# KiCad board pcb.kicad_pcb (continued)
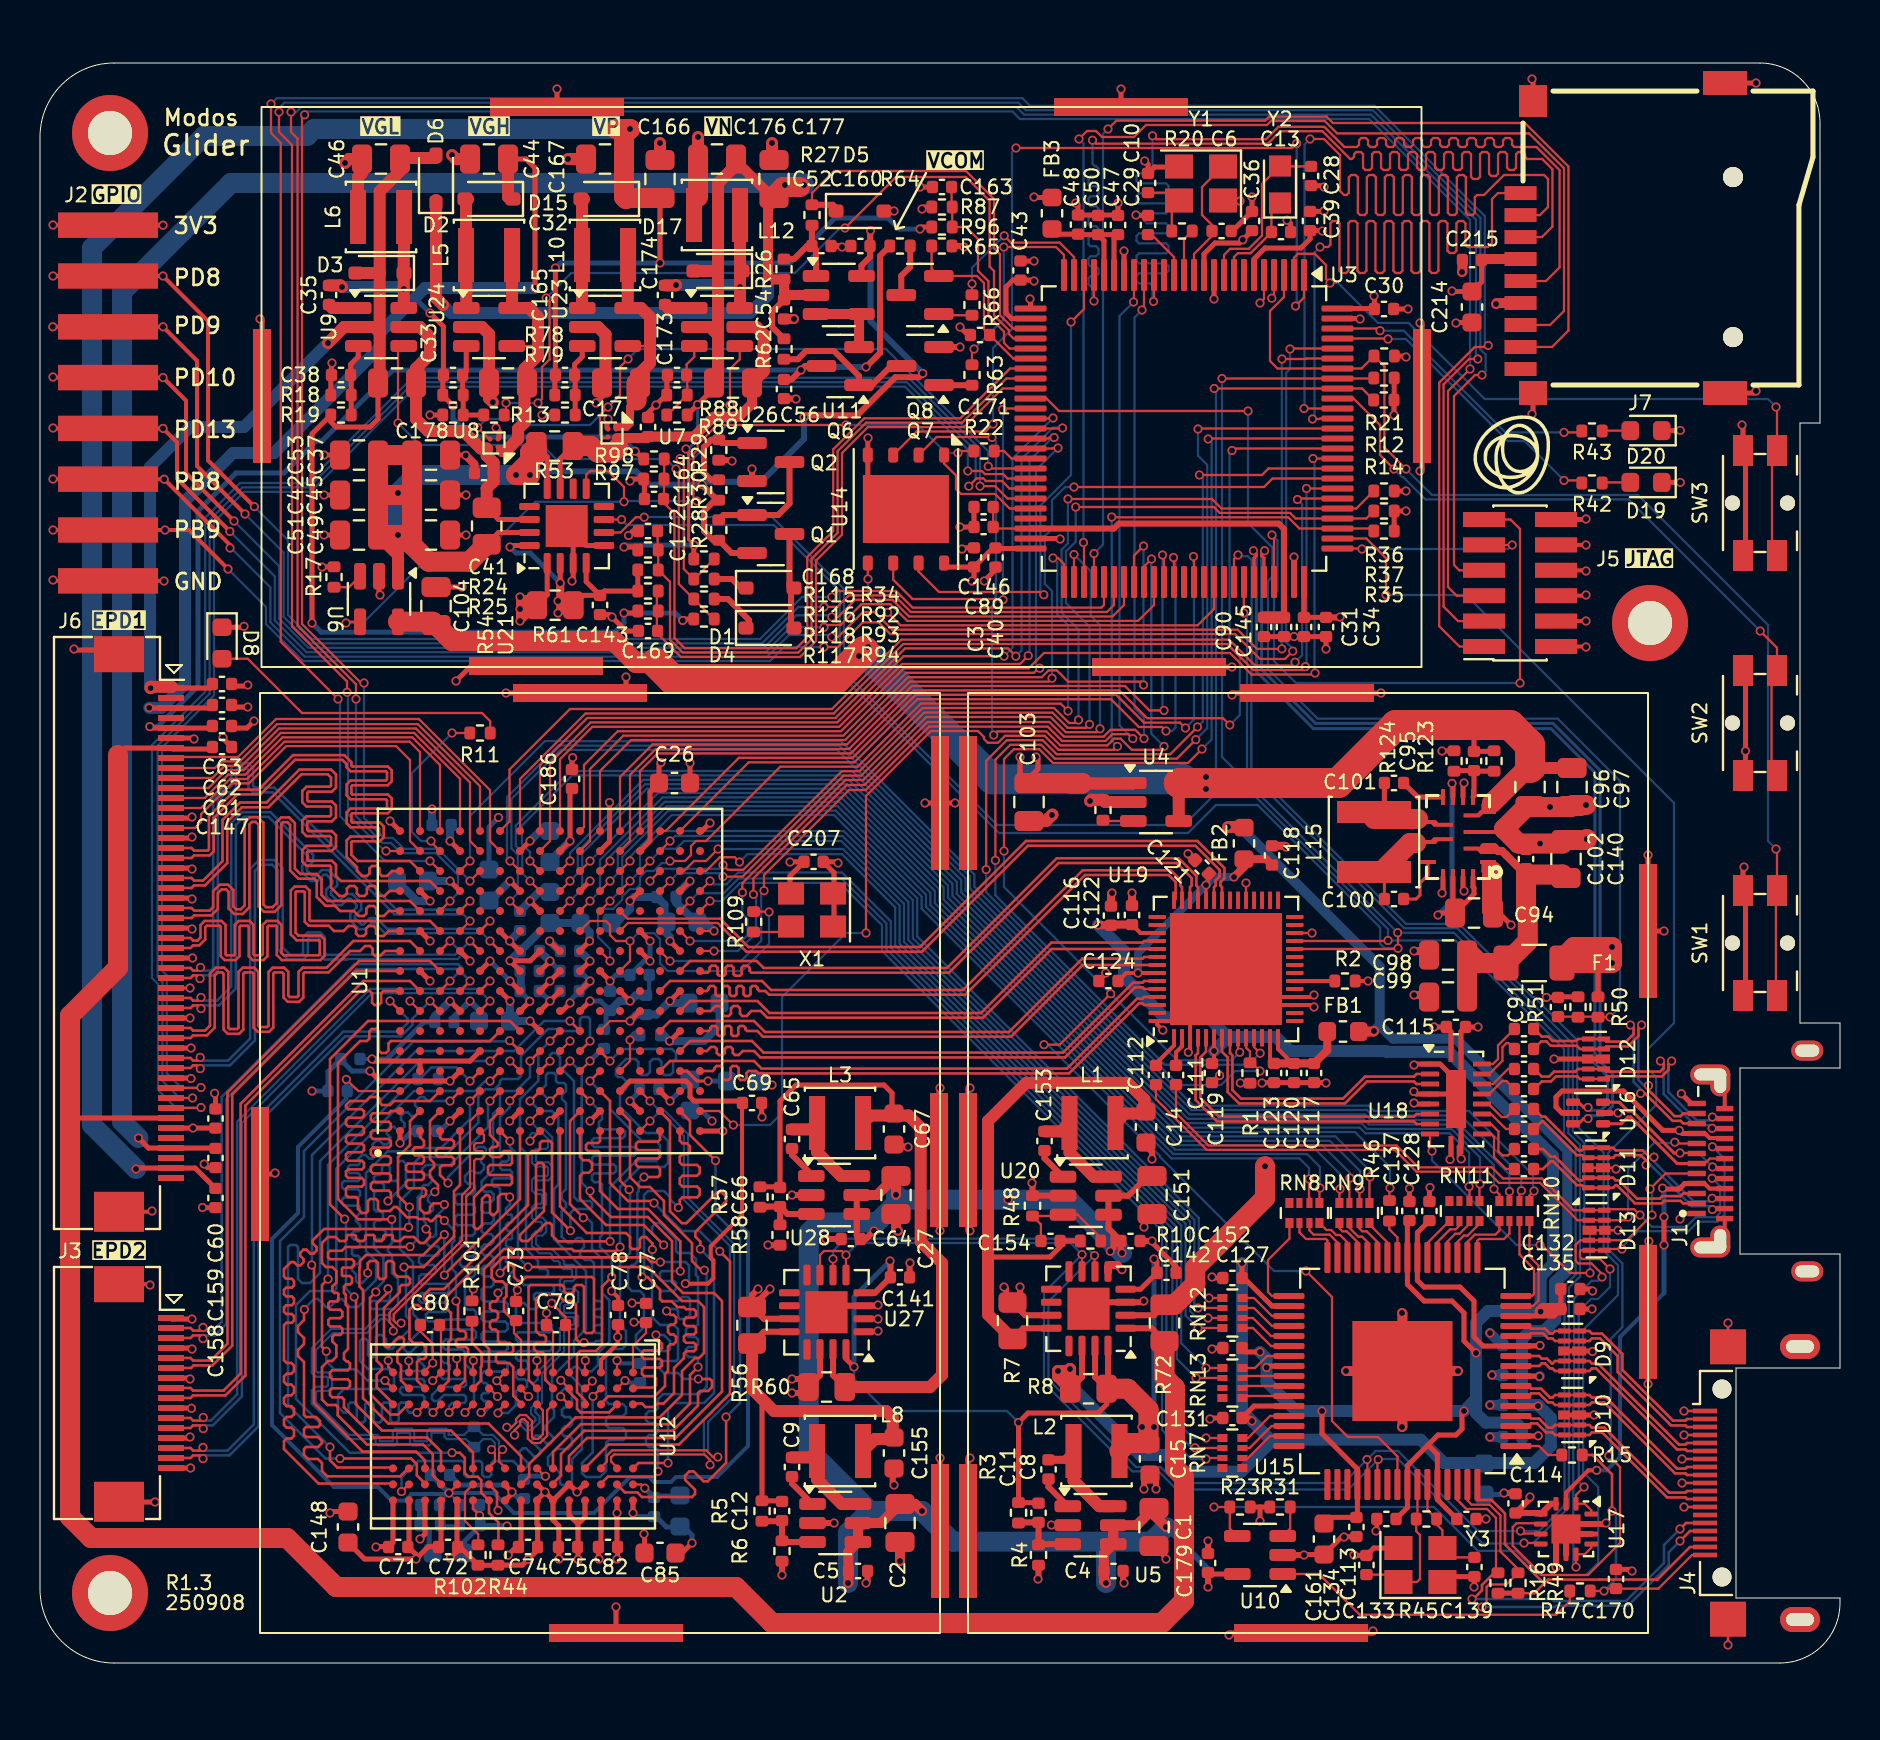
[diagram p0: board, top side]
## Routing (per net, layer and track width the routed paths; a pad name or vN(x,y) marks a point on that pad's centre or on a via; arc(x,y) is an arc through that point) (continued)
LVDS_ODD_CKP: length 25.8
  Top w0.127: U19.46 55.21,36.1 55.12,36.02 50.57,36.02 47.05,32.5 36.47,32.5 35.87,33.1 32.5,33.1 U1.R7
LVDS_ODD_CN: length 26.4
  Top w0.127: U1.T6 33.43,31.6 33.51,31.69 33.51,31.76 33.6,31.85 33.78,31.85 33.86,31.76 33.86,31.44 33.95,31.35 34.13,31.35 34.21,31.44 34.21,31.76 34.3,31.85 34.48,31.85 34.56,31.76 34.56,31.44 34.65,31.35 34.83,31.35 34.91,31.44 34.91,31.76 35,31.85 35.18,31.85 35.26,31.76 35.26,31.69 35.35,31.6 35.86,31.6 36.15,31.31 48.55,31.31 52.14,34.9 U19.49
LVDS_ODD_CP: length 26.9
  Top w0.127: U19.48 55.21,35.3 55.12,35.22 52.12,35.22 48.45,31.55 36.25,31.55 35.7,32.1 31.5,32.1 U1.P6
LVDS_PVCCEN: length 36.1
  Top w0.11: U3.5 61.2,68.2 v1(61,68) ; U19.33 v1(60.3,39)
  In1.Cu w0.11: v1(60.3,39) 60.3,39.8 57.1,43 57.1,44.6 57.8,45.3 59.2,45.3 59.99,46.09 59.99,50.61 58.8,51.8 58.8,58.4 61,60.6 v1(61,68)
MCU_SWCLK: length 10.2
  Top w0.11: v1(66.1,55.7) 66.07,55.73 U3.76 ; v1(73.61,55.9) 73.6,55.91 J5.9
  Bottom w0.11: v1(73.61,55.9) 73.41,55.7 v1(66.1,55.7)
MCU_SWDIO: length 31.3
  Top w0.11: J5.11 73.53,57.17 74,56.7 v1(74,49) ; v1(61.6,56.4) 61.7,56.3 U3.72
  Bottom w0.11: v1(61.6,56.4) 61.87,56.13 61.87,53.6 61.7,53.43 61.7,50.1 62.8,49 v1(74,49)
QSPI_SCLK: length 17.7
  Top w0.11: v1(48.15,53.16) 48.11,53.2 43.62,53.2 42.66,54.16 U14.6 ; U3.36 48.17,62.73 v1(48.12,62.67)
  Bottom w0.11: v1(48.15,53.16) 48.15,62.65 v1(48.12,62.67)
QSPI_SD0: length 21.2
  Top w0.11: v1(41.4,54.2) 41.39,54.21 U14.5 ; U3.66 58.7,52.7 57.89,51.88 43.03,51.88 v1(42.38,52.53)
  Bottom w0.11: v1(42.38,52.53) 41.4,53.52 v1(41.4,54.2)
QSPI_SD1: length 39.4
  Top w0.11: v1(47.68,46.4) 47.86,46.58 50.32,46.58 51.02,45.88 53.37,45.88 53.71,46.22 54.03,46.22 54.59,45.66 56.03,45.66 v1(56.2,45.83) ; v1(55.58,55.2) 55.2,54.83 U3.59 ; U14.2 44.83,61.3 47.58,61.3 v1(47.6,61.27)
  Bottom w0.11: v1(56.2,45.83) 55.56,46.47 55.56,55.19 v1(55.58,55.2) ; v1(47.68,46.4) 47.6,46.48 47.6,52.84 47.76,53 47.76,53.32 47.8,53.36 47.8,61.08 v1(47.6,61.27)
QSPI_SD2: length 43.9
  Top w0.11: v1(62.78,67.85) 63.2,68.28 U3.1 ; U14.3 43.83,61.56 43.83,61.58 47.28,61.58 v1(47.65,61.95) ; v1(62.83,75.97) 62.61,75.75 v1(48.8,75.75)
  Bottom w0.11: v1(62.83,75.97) 62.83,67.91 v1(62.78,67.85) ; v1(47.65,61.95) 47.65,65.75 48.6,66.7 48.6,75.55 v1(48.8,75.75)
QSPI_SD3: length 24.1
  Top w0.11: v1(50.19,53.41) 50.11,53.41 49.97,53.55 44.95,53.55 43.93,54.57 U14.7 ; v1(51.55,67.05) 52.2,67.7 U3.23
  Bottom w0.11: v1(51.55,67.05) 51.55,59.4 50.02,57.87 50.02,53.58 v1(50.19,53.41)
QSPI_SS: length 6.1
  Top w0.11: U14.1 45.2,59.98 45.8,59.38 45.8,58.7 46.05,58.45 47.75,58.45 48.48,57.73 U3.46
SDIO_CLK: length 59.1
  Top w0.11: v1(55.67,68.08) 55.7,68.1 U3.16 ; v1(55.62,76.36) 55.8,76.19 61.3,76.19 61.92,76.81 64.21,76.81 65.22,75.8 65.84,75.8 65.95,75.91 65.95,76.14 66.07,76.25 66.29,76.25 66.4,76.14 66.4,75.91 66.52,75.8 66.74,75.8 66.85,75.91 66.85,76.14 66.97,76.25 67.19,76.25 67.3,76.14 67.3,75.91 67.42,75.8 67.64,75.8 67.75,75.91 67.75,76.14 67.87,76.25 68.09,76.25 68.2,76.14 68.2,75.91 68.32,75.8 68.54,75.8 68.65,75.91 68.65,76.14 68.77,76.25 68.99,76.25 69.1,76.14 69.1,75.91 69.22,75.8 69.44,75.8 69.55,75.91 69.55,76.14 69.67,76.25 69.89,76.25 70,76.14 70,75.91 70.12,75.8 70.34,75.8 70.45,75.91 70.45,76.14 70.57,76.25 70.79,76.25 70.9,76.14 70.9,75.91 71.02,75.8 71.24,75.8 71.35,75.91 71.35,76.14 71.47,76.25 71.69,76.25 71.8,76.14 71.8,75.91 71.92,75.8 72.14,75.8 72.25,75.91 72.25,76.14 72.37,76.25 72.59,76.25 72.7,76.14 72.7,75.91 72.82,75.8 73.04,75.8 73.15,75.91 73.15,76.14 73.27,76.25 73.49,76.25 73.6,76.14 73.6,75.91 73.72,75.8 74.82,75.8 75.98,74.64 75.98,69.78 75.3,69.1 J7.5
  Bottom w0.11: v1(55.67,68.08) 55.62,68.12 55.62,68.86 55.5,68.98 54.95,68.98 54.83,69.11 54.83,69.36 54.95,69.48 56.3,69.48 56.42,69.61 56.42,69.86 56.3,69.98 54.95,69.98 54.83,70.11 54.83,70.36 54.95,70.48 56.3,70.48 56.42,70.61 56.42,70.86 56.3,70.98 54.95,70.98 54.83,71.11 54.83,71.36 54.95,71.48 56.3,71.48 56.42,71.61 56.42,71.86 56.3,71.98 55.35,71.98 55.22,72.11 55.22,72.36 55.35,72.48 56.3,72.48 56.42,72.61 56.42,72.86 56.3,72.98 54.95,72.98 54.83,73.11 54.83,73.36 54.95,73.48 56.3,73.48 56.42,73.61 56.42,73.86 56.3,73.98 54.95,73.98 54.83,74.11 54.83,74.36 54.95,74.48 55.5,74.48 55.62,74.61 v1(55.62,76.36)
SDIO_CMD: length 58.2
  Top w0.11: v1(52.62,76.14) 52.8,75.97 61.39,75.97 62.02,76.59 64.12,76.59 65.51,75.2 65.59,75.2 65.7,75.31 65.7,75.44 65.82,75.55 66.04,75.55 66.15,75.44 66.15,74.76 66.27,74.65 66.49,74.65 66.6,74.76 66.6,75.44 66.72,75.55 66.94,75.55 67.05,75.44 67.05,74.76 67.17,74.65 67.39,74.65 67.5,74.76 67.5,75.44 67.62,75.55 67.84,75.55 67.95,75.44 67.95,74.76 68.07,74.65 68.29,74.65 68.4,74.76 68.4,75.44 68.52,75.55 68.74,75.55 68.85,75.44 68.85,74.76 68.97,74.65 69.19,74.65 69.3,74.76 69.3,75.44 69.42,75.55 69.64,75.55 69.75,75.44 69.75,74.76 69.87,74.65 70.09,74.65 70.2,74.76 70.2,75.44 70.32,75.55 70.54,75.55 70.65,75.44 70.65,74.76 70.77,74.65 70.99,74.65 71.1,74.76 71.1,75.44 71.22,75.55 71.44,75.55 71.55,75.44 71.55,74.31 71.67,74.2 71.89,74.2 72,74.31 72,75.44 72.12,75.55 72.34,75.55 72.45,75.44 72.45,74.46 72.57,74.35 72.79,74.35 72.9,74.46 72.9,75.44 73.02,75.55 73.24,75.55 73.35,75.44 73.35,74.76 73.47,74.65 73.69,74.65 73.8,74.76 73.8,75.44 73.92,75.55 74.14,75.55 74.25,75.44 74.25,75.31 74.37,75.2 75.11,75.2 75.62,74.69 75.62,71.82 75.1,71.3 J7.3 ; v1(52.7,68.1) U3.22
  Bottom w0.11: v1(52.62,76.14) 52.62,74.96 52.75,74.84 52.8,74.84 52.92,74.71 52.92,74.46 52.8,74.34 52.53,74.34 52.42,74.24 52.42,73.94 52.53,73.84 52.8,73.84 52.92,73.71 52.92,73.46 52.8,73.34 52.53,73.34 52.42,73.24 52.42,72.94 52.53,72.84 52.8,72.84 52.92,72.71 52.92,72.46 52.8,72.34 52.53,72.34 52.42,72.24 52.42,71.94 52.53,71.84 52.8,71.84 52.92,71.71 52.92,71.46 52.8,71.34 52.53,71.34 52.42,71.24 52.42,70.94 52.53,70.84 52.8,70.84 52.92,70.71 52.92,70.46 52.8,70.34 52.53,70.34 52.42,70.24 52.42,69.94 52.53,69.84 52.8,69.84 52.92,69.71 52.92,69.46 52.8,69.34 52.53,69.34 52.42,69.24 52.42,68.94 52.62,68.74 52.62,68.17 v1(52.7,68.1)
SDIO_DAT0: length 57.7
  Top w0.11: v1(52.17,56.02) 52.2,56 U3.53 ; J7.7 75.5,66.9 76.2,67.6 76.2,74.73 74.45,76.48 64.85,76.48 64.23,77.1 61.55,77.1 61.35,76.9 55.3,76.9 54.7,76.3 53.1,76.3 52.8,76.6 52.35,76.6 v1(51.95,76.2)
  Bottom w0.11: v1(52.17,56.02) 52.17,75.97 v1(51.95,76.2)
SDIO_DAT1: length 58.2
  Top w0.11: J7.8 75.6,65.8 76.42,66.62 76.42,74.82 74.24,77 64.64,77 64.32,77.32 61.46,77.32 61.26,77.12 53.82,77.12 v1(53.4,76.7) ; v1(52.7,55.48) U3.54
  Bottom w0.11: v1(52.7,55.48) 53.15,55.92 53.15,76.45 v1(53.4,76.7)
SDIO_DAT2: length 57.3
  Top w0.11: v1(64,70.8) 64.41,70.8 64.52,70.91 64.52,71.99 64.63,72.1 64.86,72.1 64.97,71.99 64.97,69.61 65.08,69.5 65.31,69.5 65.42,69.61 65.42,71.99 65.53,72.1 65.76,72.1 65.87,71.99 65.87,69.61 65.98,69.5 66.21,69.5 66.32,69.61 66.32,71.99 66.43,72.1 66.66,72.1 66.77,71.99 66.77,69.61 66.88,69.5 67.11,69.5 67.22,69.61 67.22,71.99 67.33,72.1 67.56,72.1 67.67,71.99 67.67,69.61 67.78,69.5 68.01,69.5 68.12,69.61 68.12,71.99 68.23,72.1 68.46,72.1 68.57,71.99 68.57,69.61 68.68,69.5 68.91,69.5 69.02,69.61 69.02,71.99 69.13,72.1 69.36,72.1 69.47,71.99 69.47,69.61 69.58,69.5 69.81,69.5 69.92,69.61 69.92,71.99 70.03,72.1 70.26,72.1 70.37,71.99 70.37,70.61 70.48,70.5 70.71,70.5 70.82,70.61 70.82,71.99 70.93,72.1 71.16,72.1 71.27,71.99 71.27,70.91 71.38,70.8 72.4,70.8 72.6,71 72.6,73.2 72.9,73.5 J7.1 ; U3.89 64,62.23 63.97,62.2 v1(63.62,62.2)
  Bottom w0.11: v1(64,70.8) 63.72,70.53 63.72,62.3 v1(63.62,62.2)
SDIO_DAT3: length 58.8
  Top w0.11: v1(63.2,62.73) U3.90 ; J7.2 75,72.4 75.4,72.8 75.4,74.2 75.2,74.4 73.2,74.4 72.2,73.4 71.86,73.4 71.74,73.29 71.74,72.51 71.63,72.4 71.41,72.4 71.29,72.51 71.29,74.29 71.18,74.4 70.96,74.4 70.84,74.29 70.84,72.51 70.73,72.4 70.51,72.4 70.39,72.51 70.39,74.29 70.28,74.4 70.06,74.4 69.94,74.29 69.94,72.51 69.83,72.4 69.61,72.4 69.49,72.51 69.49,74.29 69.38,74.4 69.16,74.4 69.04,74.29 69.04,72.51 68.93,72.4 68.71,72.4 68.59,72.51 68.59,74.29 68.48,74.4 68.26,74.4 68.14,74.29 68.14,72.51 68.03,72.4 67.81,72.4 67.69,72.51 67.69,74.29 67.58,74.4 67.36,74.4 67.24,74.29 67.24,72.51 67.13,72.4 66.91,72.4 66.79,72.51 66.79,74.29 66.68,74.4 66.46,74.4 66.34,74.29 66.34,72.51 66.23,72.4 66.01,72.4 65.89,72.51 65.89,74.29 65.78,74.4 65.56,74.4 65.44,74.29 65.44,73.51 65.33,73.4 65.2,73.4 65,73.6 65,75.4 64.2,76.2 v1(63.5,76.2)
  Bottom w0.11: v1(63.2,62.73) 63.22,62.75 63.22,75.92 v1(63.5,76.2)
TCPC_INT: length 72
  Top w0.11: U3.77 66.32,56.23 67.3,55.24 v1(67.3,53.4) ; U17.5 75,6.99 73.83,6.99 73.63,6.8 73.63,5.86 75.1,4.4 77.4,4.4 79,6 79,9.8 v1(78.44,10.36)
  Bottom w0.11: v1(67.3,53.4) 71.3,53.4 81.7,43 81.7,32 80.4,30.7 80.4,29.7 80.8,29.3 80.8,29.05 80.81,29.03 80.81,27.91 78.4,25.5 78.4,20.7 79.12,19.98 79.12,16.79 78.53,16.21 78.53,10.45 v1(78.44,10.36)
TYPEC_ORI: length 54.9
  Top w0.11: v1(69.6,25.6) 69.5,25.7 U18.9 ; U3.69 60.19,54.04 v1(60.19,52.5) ; v1(77.5,19.5) 76.5,19.5 75.1,20.9 v1(75,20.9)
  Bottom w0.11: v1(75,20.9) 73.82,20.9 69.6,25.12 v1(69.6,25.6) ; v1(60.19,52.5) 60.35,52.34 60.35,44.6 68.22,36.73 70.87,36.73 76.64,30.96 76.64,26.58 77.22,26 77.22,21.78 77.5,21.5 v1(77.5,19.5)
USB_DN: length 45.7
  Top w0.15: v1(77.4,27.78) 77.18,27.78 76.93,28.04 76.55,28.04 ; U3.70 60.7,55.25 60.82,55.37 60.82,55.46 v1(60.67,55.61)
  Bottom w0.15: v1(77.4,27.78) 77.55,27.63 78.05,27.63 78.37,27.95 78.37,29.35 77.75,29.97 77.75,44.52 75.55,46.72 63.67,46.72 60.82,49.57 60.82,55.46 v1(60.67,55.61)
USB_DP: length 46.2
  Top w0.15: v1(61.23,55.61) 61.08,55.46 61.08,55.37 61.2,55.25 U3.71 ; v1(77.4,27.22) 77.18,27.22 76.93,26.96 76.55,26.96
  Bottom w0.15: v1(77.4,27.22) 77.55,27.37 78.15,27.37 78.63,27.85 78.63,29.45 78,30.08 78,44.63 75.65,46.98 63.78,46.98 61.08,49.68 61.08,55.46 v1(61.23,55.61)
USER_PB8: length 85.3
  Top w0.11: U3.95 63.32,65.22 63.3,65.2 v1(62.1,65.2) ; v1(62.09,50.7) 60.84,50.7 59.89,51.66 42.61,51.66 41.72,52.55 41.15,52.55 39.9,51.3 v1(39.59,51.3)
  Top w0.2: v1(9.5,55.75) 9.5,55.9 v1(6.21,59.19) J2.6 0.66,59.19 v1(0.65,59.2)
  Bottom w0.11: v1(9.5,55.75) 9.55,55.75 11.52,53.78 11.52,52.04 13.24,50.32 36.37,50.32 37.45,51.4 39.49,51.4 v1(39.59,51.3) ; v1(62.09,50.7) 62.09,65.19 v1(62.1,65.2)
USER_PB9: length 84.6
  Top w0.11: U3.96 62.53,65.72 v1(62.5,65.7) ; v1(39.2,50.8) 39.9,50.8 41.13,52.03 41.93,52.03 42.52,51.45 59.75,51.45 61,50.2 62.25,50.2 v1(62.64,50.59)
  Top w0.2: v1(9.4,54.7) 7.45,56.65 v1(6.25,56.65) J2.7 v1(0.65,56.65)
  Bottom w0.11: v1(62.64,50.59) 62.64,50.71 62.31,51.04 62.31,64.51 62.5,64.7 v1(62.5,65.7) ; v1(9.4,54.7) 11.3,52.8 11.3,51.94 13.14,50.1 36.5,50.1 37.2,50.8 v1(39.2,50.8)
USER_PD8: length 68.9
  Top w0.11: U3.55 53.2,52.9 53.07,52.77 43.63,52.77 42.8,53.6 39.89,53.6 v1(39.59,53.3)
  Top w0.2: v1(0.65,69.35) J2.2 v1(6.15,69.35) 8.4,67.1 8.4,60.13 v1(10.72,57.82)
  Bottom w0.11: v1(10.72,57.82) 12.4,56.13 12.4,52.4 13.6,51.2 36.01,51.2 38.11,53.3 v1(39.59,53.3)
USER_PD9: length 67.2
  Top w0.11: v1(39.2,52.8) 39.86,52.8 40.44,53.38 42.71,53.38 43.54,52.55 53.35,52.55 53.7,52.9 U3.56
  Top w0.2: v1(0.64,66.81) J2.3 v1(6.15,66.81) 7.85,65.11 7.85,59.85 v1(10.25,57.45)
  Bottom w0.11: v1(39.2,52.8) 37.92,52.8 36.1,50.98 13.51,50.98 12.18,52.31 12.18,55.52 v1(10.25,57.45)
USER_PD10: length 65.6
  Top w0.11: v1(39.59,52.3) 39.9,52.3 40.76,53.16 42.62,53.16 43.45,52.33 53.62,52.33 54.2,52.9 U3.57
  Top w0.2: v1(9.7,57.1) 7.3,59.5 7.3,63.12 v1(6.15,64.27) J2.4 0.68,64.27 v1(0.65,64.3)
  Bottom w0.11: v1(9.7,57.1) 11.96,54.84 11.96,52.22 13.42,50.76 36.19,50.76 37.81,52.39 39.5,52.39 v1(39.59,52.3)
USER_PD13: length 64.9
  Top w0.11: U3.60 55.7,52.9 54.91,52.1 43.36,52.1 42.53,52.94 41.07,52.94 40.03,51.9 39.31,51.9 v1(39.2,51.79)
  Top w0.2: v1(9.49,56.58) 6.85,59.22 6.85,61.03 v1(6.15,61.73) J2.5 0.67,61.73 v1(0.65,61.75)
  Bottom w0.11: v1(9.49,56.58) 11.74,54.33 11.74,52.13 13.33,50.54 36.28,50.54 37.53,51.79 v1(39.2,51.79)
VCOM_DAC: length 19.9
  Top w0.11: U3.28 48.66,66.72 48,67.39 48,70.44 47.7,70.74 47.7,73.2 46.3,74.6 39.7,74.6 38.6,73.5 R27.2
  Top w0.3: 39.95,72.6 39.64,72.91 R27.2
VCOM_EN: length 10.7
  Top w0.11: v1(48.19,70.8) 50.8,70.8 51.2,70.4 U3.25 ; R63.1 46.6,65.6 v1(46.7,65.7)
  Bottom w0.11: v1(48.19,70.8) 48.19,67.19 v1(46.7,65.7)
VCOM_MEA: length 9.3
  Top w0.11: U3.31 48.66,65.22 47.2,66.69 47.2,69 46.85,69.35 Q8.2 44.58,69.71 R65.2
VCOM_MEA_EN: length 8.5
  Top w0.11: U3.24 51.7,70.3 50.98,71.02 48.55,71.02 v1(48.21,71.36) ; R66.2 v1(46.6,68.96)
  Bottom w0.11: v1(46.6,68.96) 46.6,69.76 48.2,71.36 v1(48.21,71.36)
VGH_DAC: length 41.2
  Top w0.11: U3.29 48.67,66.22 48.45,66.45 48.45,66.63 47.7,67.38 47.7,69.6 47.48,69.82 47.48,73.11 46.29,74.3 42.8,74.3 v1(40.25,71.75) ; v1(25.31,68.25) 25.48,68.08 25.48,65.18 25.1,64.8 25.1,63.2 v1(24.9,63) ; v1(23.3,63) 23.3,62.49 R13.2
  Bottom w0.11: v1(40.25,71.75) 40,71.75 37.75,69.5 26.56,69.5 v1(25.31,68.25) ; v1(24.9,63) v1(23.3,63)
VGH_MEA: length 37.7
  Top w0.11: R98.1 31.21,59.21 R97.2 31.2,58 31.72,57.48 31.72,51.25 32.23,50.74 37.82,50.74 38.36,51.28 38.36,55.3 39.66,56.6 39.66,60.68 41.21,62.23 46.01,62.23 48.5,64.72 U3.32
VGL_MEA: length 31.6
  Top w0.11: 30.84,53.65 30.84,51.51 32.05,50.3 38,50.3 38.8,51.1 38.8,55.12 40.1,56.42 40.1,60.5 41.39,61.8 46.19,61.8 48.12,63.73 U3.34
VN_MEA: length 34.4
  Top w0.11: U3.33 48.31,64.22 46.1,62.02 41.3,62.02 39.88,60.59 39.88,56.51 38.58,55.21 38.58,51.19 37.91,50.52 32.14,50.52 31.5,51.16 31.5,54.06 R116.1 R115.2 30.88,55.68 C168.2
VP_MEA: length 10.7
  Top w0.11: U3.30 48.47,65.72 48.2,66 48.2,66.57 47.42,67.35 47.42,69.09 46.9,69.61 46.9,71.2 46.3,71.8 R96.1 R87.2 45.58,72.83 C163.2
Net-(C10-Pad1): length 3.5
  Top w0.11: C10.1 56.63,73.52 57,73.15 56.59,72.74 R20.2
Net-(C117-Pad1): length 6.9
  Top w0.2: C123.1 61.5,30.18 U19.13 ; C120.1 62.62,29.98 61.9,30.7 U19.14
  Top w0.4: C123.1 C120.1 C117.1 64.36,30.64 FB1.2
Net-(C118-Pad1): length 13.5
  Top w0.11: C121.1 58.44,39.04 v1(58.3,38.9)
  Top w0.15: U19.38 v1(58.3,38.9)
  Top w0.2: U19.50 v1(54.9,34.5) 54.3,34.5 C124.1
  Top w0.4: C118.1 61.31,40.19 FB2.2 60.2,39.8 v1(59.7,39.3)
  Bottom w0.4: v1(54.9,34.5) 54.9,35.5 v1(58.3,38.9) 58.7,39.3 v1(59.7,39.3)
Net-(C145-Pad2): length 21.2
  Top w0.11: C146.2 C89.2 47.73,56.73 U3.48
  Top w0.3: C145.2 U3.73 62.2,56.7 61.93,56.97 53.94,56.97 53.7,56.73 U3.48
  Top w0.6: C90.2 C145.2
Net-(D1-A): length 5.1
  Top w0.3: 37.47,54 37.47,53.83 37.6,53.7 ; 37.47,54 Q1.3 ; 37.47,54 37.55,53.92 37.55,51.75
Net-(D1-K): length 1.9
  Top w0.3: 35.45,53.75 35.05,53.75 34.6,54.2 R92.2
Net-(D2-A): length 5.5
  Top w0.6: U24.1 21.31,70.39 L5.2 21.3,73.1 21.4,73.2
Net-(D3-K): length 8.4
  Top w0.6: U9.6 v1(18.19,68.7) 18.19,70.39 18.2,70.4 L6.1 ; v1(15.1,68.8) 15.02,68.88 C35.1
  Bottom w0.6: v1(18.19,68.7) 18.09,68.8 v1(15.1,68.8)
Net-(D4-K): length 2.6
  Top w0.3: 35.45,51.75 35.45,52.15 34.4,53.2 R93.2
Net-(D8-A): length 15.3
  Top w0.11: R11.2 22.51,47.09 22.1,47.5 13.1,47.5 10.39,50.21 D8.2
Net-(D15-A): length 5.5
  Top w0.6: 27.2,73.2 27.1,73.1 L10.2 27.1,67.76 U23.1
Net-(D17-K): length 8.3
  Top w0.6: v1(31.8,68.9) 31.78,68.88 C174.1 ; 35,72.29 v1(35,68.8) 35,67.76 U26.6
  Bottom w0.6: v1(35,68.8) 34.9,68.9 v1(31.8,68.9)
Net-(D19-A): length 1.4
  Top w0.11: D19.2 78.14,59.03 R42.2
Net-(D20-A): length 1.4
  Top w0.11: D20.2 78.13,61.62 R43.2
Net-(J1-D+-PadA6): length 7.2
  Top w0.11: J1.A6 83.25,24.98 83.49,25.22 J1.B6
  Top w0.15: 78.25,26.96 79.06,26.96 79.4,27.3 79.53,27.3 81.86,24.98 J1.A6
Net-(J1-D--PadA7): length 8.2
  Top w0.11: J1.A7 82.81,25.5 v1(82,25.5) ; v1(83.63,24.8) 83.71,24.72 J1.B7
  Top w0.15: v1(82,25.5) 81.7,25.5 79.6,27.6 79.4,27.6 78.96,28.04 78.25,28.04
  Bottom w0.11: v1(83.63,24.8) 82.93,25.5 v1(82,25.5)
Net-(Q1-G): length 6
  Top w0.3: R28.1 34.18,57.4 Q1.1 36.9,57.4 37.47,57.98 Q2.3
Net-(Q2-B): length 4.8
  Top w0.3: R30.2 33.54,59.16 33.2,59.5 33.2,60.8 33.56,61.16 R29.2 34.1,61 Q2.1
Net-(Q6-G): length 7.5
  Top w0.3: Q7.3 42.55,64.85 41.6,63.9 Q6.1 40.95,64.35 39.7,65.6 38.3,65.6 37.89,65.19 R62.1
  Top w0.4: R62.1 37.29,65.19 37.3,65.2
Net-(Q6-S): length 4
  Top w0.5: U11.3 U11.4 40.95,67.33 Q6.2
Net-(Q7-G): length 1.7
  Top w0.3: R63.2 44.96,63.89 Q7.1
Net-(Q8-D): length 2.6
  Top w0.3: R64.1 43.51,69.81 43.06,69.36 Q8.3
Net-(Q8-G): length 1.7
  Top w0.11: R66.1 45,67.39 Q8.1
Net-(U1D-IO_L1P_3): length 2.4
  Top w0.11: v1(29.5,31.15) 29.5,30.1 U1.M4
  Bottom w0.4: R40.1 29.75,31.4 v1(29.5,31.15)
Net-(U2-BS): length 1.8
  Top w0.3: C9.2 37.6,8.97 U2.1
Net-(U2-FB): length 3.6
  Top w0.3: R5.2 37.07,7.09 C12.2 R6.1 37.16,6.05 U2.3
Net-(U2-SW): length 5.4
  Top w0.6: C9.1 38.53,10.28 L8.1 38.85,9.18 40.08,7.95 U2.6
Net-(U3-NRST): length 2.7
  Top w0.11: C29.2 55.58,71.42 56.7,70.3 U3.14
Net-(U3-PE11): length 2
  Top w0.11: U3.41 48.58,60.23 48.2,60.6 R22.2
Net-(U4-SET): length 1.5
  Top w0.11: R9.2 53.19,42.1 U4.3
Net-(U5-BS): length 1.8
  Top w0.3: U5.1 50.42,8.8 C8.2
Net-(U5-FB): length 3.6
  Top w0.3: U5.3 49.95,5.94 R4.1 C11.2 48.95,7.03 R3.2
Net-(U5-SW): length 5.4
  Top w0.4: L2.1 51.23,10.16 C8.1
  Top w0.6: U5.6 52.96,7.84 51.67,9.12 L2.1
Net-(U6-SET): length 1.5
  Top w0.11: U6.3 15.45,53.79 R17.2
Net-(U9-BS): length 1.5
  Top w0.6: U9.1 14.62,67.75 C35.2
Net-(U9-FB): length 3.6
  Top w0.25: U9.3 15.91,65.31 15.53,64.93 C38.1 15.56,64.37 R19.2
Net-(U10-SET): length 1.6
  Top w0.11: U10.3 62.51,6.72 R31.2
Net-(U10-VOUT): length 16
  Top w0.11: R47.1 76.49,3.09 75.81,2.41 65.99,2.41 63.95,4.45 U10.1
Net-(U11-+): length 4.3
  Top w0.3: R26.2 37.7,70.2 38.35,70.85 C52.2 ; C52.2 38.8,70.65 U11.1 ; C52.2 38.59,71.88 R27.1
Net-(U12-ZQ): length 3.5
  Top w0.11: 21.91,5.9 21.91,6.44 21.25,7.1 21.25,8.52 21.65,8.92
Net-(U13-BST1): length 2.3
  Top w0.25: C101.1 68.88,43.3 U13.8
Net-(U13-BST2): length 2.7
  Top w0.15: U13.11 69.4,39.4 69,39 69,38.4 68.8,38.2 C100.1
Net-(U13-FB): length 3.4
  Top w0.25: R123.2 71.73,44.59 C95.2 ; C95.2 71.7,43.35 U13.5 ; C95.2 70.73,44.62 R124.2
Net-(U13-SW1): length 4.2
  Top w0.25: 66.7,42.2 67.22,42.72 C101.2
  Top w1: 66.7,42.2 68.9,42.2
Net-(U13-SW2): length 4.1
  Top w0.15: C100.2 67.22,39.38 67.05,39.55
  Top w1: 68.8,41 68.5,41 67.05,39.55 L15.1
Net-(U13-VIN): length 14.1
  Top w0.4: 74.3,39.42 74.28,39.42 73.1,40.6 72.9,40.6 72.7,40.8 72.2,40.8
  Top w1: 71.35,33.4 71.35,35.6 71.95,35 F1.2 74.39,36.09 74.39,37.45 74.3,37.54 74.3,39.42 76.12,39.42 C140.2
Net-(U15-HPA_A/INT2): length 2.5
  Top w0.11: U15.1 74.95,10.85 75.4,10.4 R15.1
Net-(U15-XTALN): length 5.3
  Top w0.11: C125.1 70.59,5.28 Y3.3 70.12,6.64 69.83,6.93 R45.1 69.37,7.66 U15.59
Net-(U15-XTALP): length 7.7
  Top w0.11: C113.1 67.55,4.42 Y3.1 68.85,4.05 69,4.2 69,6.4 68.81,6.59 R45.2 68.87,7.26 U15.58
Net-(U19-TESTMODE): length 2
  Top w0.2: R2.2 U19.20
Net-(U20-BS): length 1.7
  Top w0.3: U20.1 50.22,25.24 C153.2
Net-(U20-FB): length 5.5
  Top w0.11: C154.2 50.05,21.93 R48.1 51.09,22.35 U20.3 51.89,22.41 53.03,21.27 R10.2
Net-(U20-SW): length 5.4
  Top w0.6: U20.6 52.69,24.31 51.47,25.53 L1.1 51.06,26.58 C153.1
Net-(U23-FB): length 3.6
  Top w0.25: R79.2 26.76,64.37 C165.1 26.73,64.93 27.11,65.31 U23.3
Net-(U24-FB): length 4.6
  Top w0.25: R13.1 R25.2 R24.1 21.13,63.43 C41.1 21.31,64.58 U24.3
Net-(U26-BS): length 1.5
  Top w0.6: U26.1 31.42,67.75 C174.2
Net-(U26-FB): length 4.1
  Top w0.11: U26.3 32.71,65.31 32.33,64.93 C175.1 32.36,64.37 R88.1 31.36,62.4 R89.2
Net-(U28-BS): length 1.8
  Top w0.3: C65.2 37.6,25.4 38.56,24.44 U28.1
Net-(U28-FB): length 3.6
  Top w0.3: R58.1 C66.2 ; C66.2 37.37,22.45 U28.3 ; C66.2 36.03,22.82 R57.2
Net-(U28-SW): length 5.3
  Top w0.6: C65.1 38.53,26.68 L3.1 38.85,25.55 40.05,24.35 U28.6
Net-(X1-OUT): length 1.9
  Top w0.11: R109.1 37.25,36.55 37.5,36.8

## Copper pours and planes (outline as drawn; the poured copper is in the pictures)
+1V2_FPGA on In1.Cu: 39,13 37,13 37,15 39,17 39,29 34.5,33.5 25.25,33.5 24.75,33 24,33 23,34 23,35 23.75,35.75 26.5,35.75 27,36.25 27.75,36.25 28,36 28,34.75 28.25,34.5 37,34.5 41.25,30.25 41.25,15.25
+1V35 on In1.Cu: 11,27 11,9 15,5 33,5 35.75,7.75 35.75,17.25 37,18.5 37,22 35,24 35,28 32,31 29,31 28,32 19,32 16,29 13,29
+3V3 on In1.Cu: -1,81 -1,-1 91,-1 91,81
+VBUS on In1.Cu: 77.8,36 77.8,33.9 79.2,32.3 80.4,32.3 80.4,23.9 80.9,23.3 82.2,23.3 82.7,23.8 82.7,32.6 78.9,36.4 78.2,36.4
GND on In2.Cu: -1,80.8 -1,-1.2 91,-1.2 91,80.8

## Text on the board
F.Fab: C60 | U13
F.Silkscreen: R1.3 | 250908 | GPIO | EPD1 | EPD2 | VGL | VGH | VP | VN | VCOM | JTAG | Modos | 3V3 | PD8 | PD9 | PD10 | PD13 | PB8 | PB9 | GND | Glider
